# KiCad board reform2-motherboard.kicad_pcb
title: REFORM; date: 2019-04-08; rev: 2.0; company: MNT Research GmbH
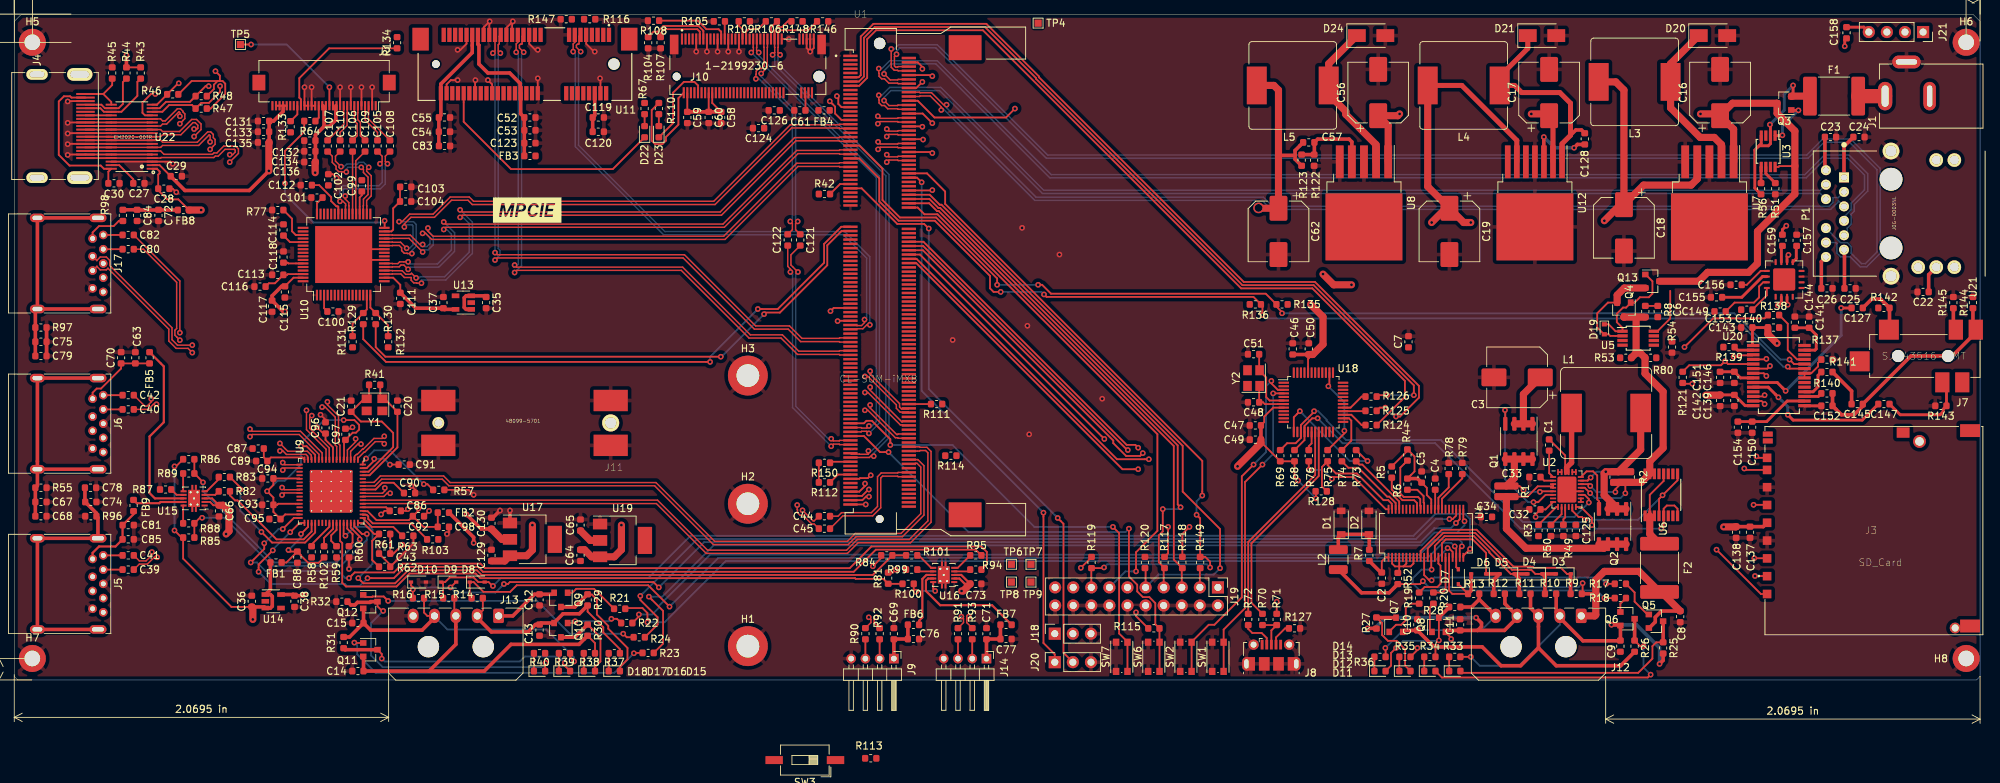
[diagram p0: board, top side]
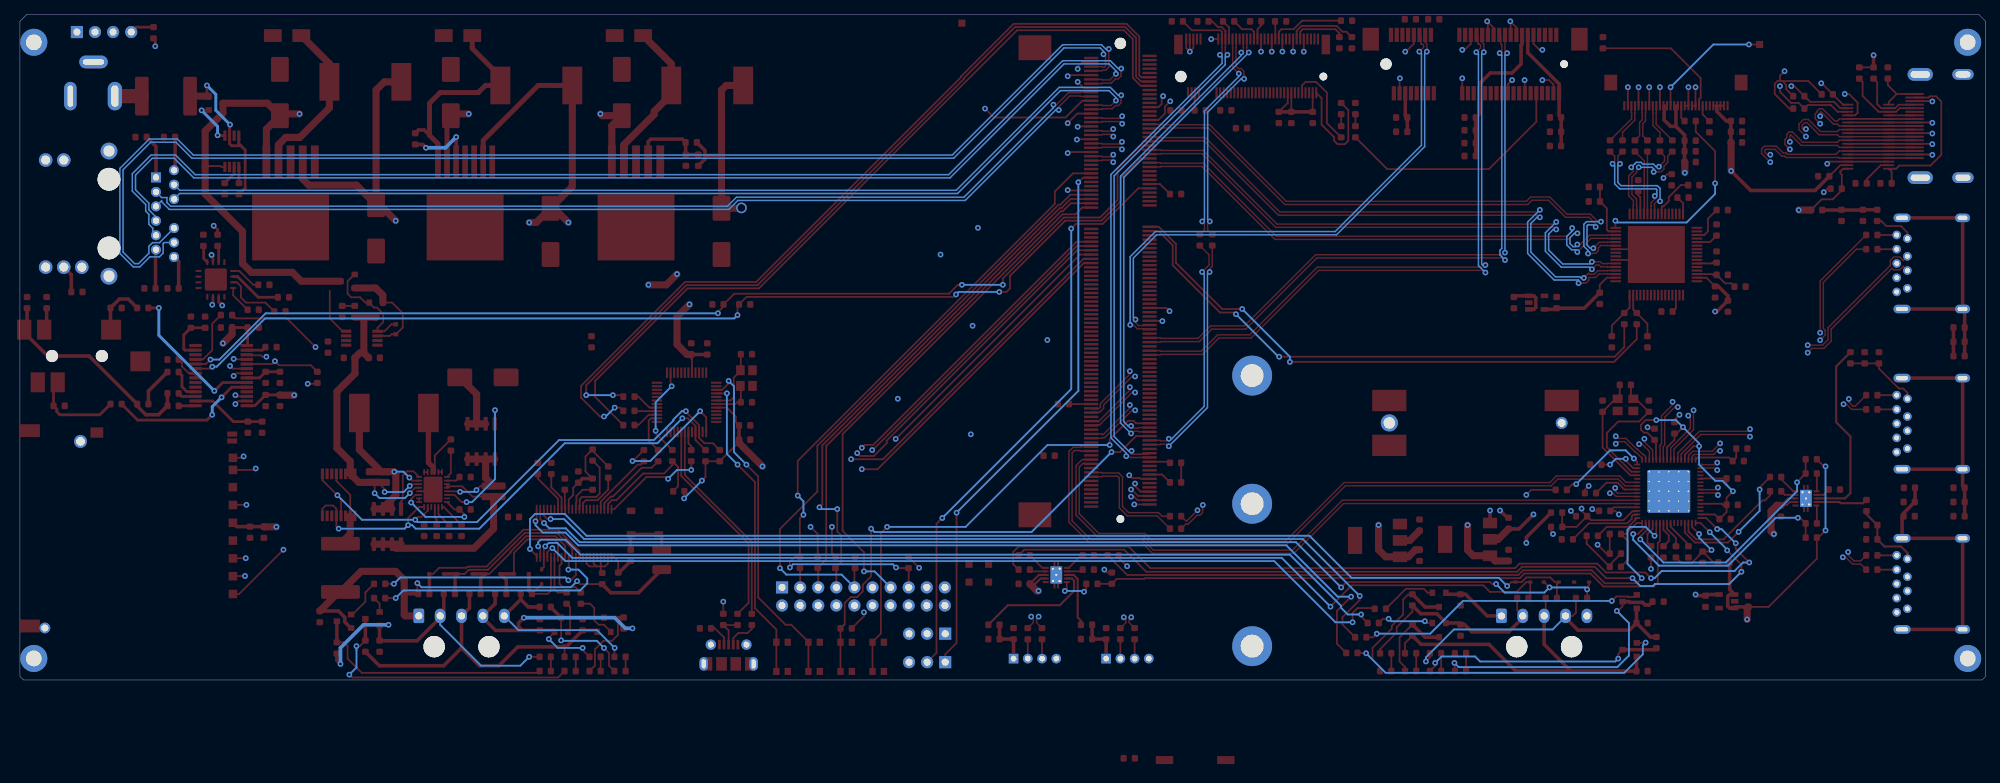
[diagram p1: board, bottom side, seen from below]

Outline 276 x 93.5 mm; copper layers: Top, GND.Cu (plane), Signal.Cu, Power.Cu (plane), GND2.Cu (plane), Bottom. Coordinates in mm from the lower left corner of the outline.
Outline path: 0,0.5 0,92.5 1,93.5 275,93.5 276,92.5 276,0.5 275.5,0 0.5,0 0,0.5

## Placement (name value [footprint] x y rotation side)
C1  22nF  [C_0603_1608Metric]  215.5 33 90 top
C2  1uF  [C_0603_1608Metric]  192 14.3 270 top
C3  220uF  [CP_Elec_8x10]  211 42.5 180 top
C4  1uF  [C_0603_1608Metric]  199.5 27.5 90 top
C5  1uF  [C_0603_1608Metric]  197.6 28.5 90 top
C6  0.1uF  [C_0603_1608Metric]  230.75 51.75 270 top
C7  0.1uF  [C_0603_1608Metric]  195.75 47.5 90 top
C8  0.1uF  [C_0603_1608Metric]  233.9 8.9 270 top
C9  0.1uF  [C_0603_1608Metric]  225.5 4.75 270 top
C10  0.1uF  [C_0603_1608Metric]  197 7.75 90 top
C11  0.1uF  [C_0603_1608Metric]  203 7.75 90 top
C12  0.1uF  [C_0603_1608Metric]  73.75 11.25 270 top
C13  0.1uF  [C_0603_1608Metric]  73.75 7 270 top
C14  0.1uF  [C_0603_1608Metric]  48.25 1.25 180 top
C15  0.1uF  [C_0603_1608Metric]  48.25 8 180 top
C16  220uF  [CP_Elec_8x10]  239.5 82.5 90 top
C17  220uF  [CP_Elec_8x10]  215.5 82.5 90 top
C18  220uF  [CP_Elec_8x10]  226 63.5 270 top
C19  220uF  [CP_Elec_8x10]  201.5 63 270 top
C20  18pF  [C_0603_1608Metric]  53.8 38.45 90 top
C21  18pF  [C_0603_1608Metric]  47.3 38.45 90 top
C22  0.1uF  [C_0603_1608Metric]  268 54.5 180 top
C23  0.1uF  [C_0603_1608Metric]  255 76.25 0 top
C24  0.1uF  [C_0603_1608Metric]  259 76.25 0 top
C25  0.1uF  [C_0603_1608Metric]  257.75 55 0 top
C26  0.1uF  [C_0603_1608Metric]  254.5 55 0 top
C27  0.1uF  [C_0603_1608Metric]  17.5 69.75 180 top
C28  0.1uF  [C_0603_1608Metric]  21 69 180 top
C29  0.1uF  [C_0603_1608Metric]  22.75 70.75 0 top
C30  0.1uF  [C_0603_1608Metric]  14 69.75 0 top
C32  1uF  [C_0603_1608Metric]  213.5 23.95 180 top
C33  4.7uF  [C_0603_1608Metric]  213.5 28.5 180 top
C34  10uF  [C_0603_1608Metric]  206.7 22.9 180 top
C35  1uF  [C_0603_1608Metric]  66.25 53 270 top
C36  1uF  [C_0603_1608Metric]  33.35 11.05 90 top
C37  10uF  [C_0603_1608Metric]  60.25 53 90 top
C38  10uF  [C_0603_1608Metric]  39.35 11.05 270 top
C39  0.1uF  [C_0603_1608Metric]  16 15.5 180 top
C40  0.1uF  [C_0603_1608Metric]  16 38 180 top
C41  0.1uF  [C_0603_1608Metric]  16 17.5 180 top
C42  0.1uF  [C_0603_1608Metric]  16 40 180 top
C43  10uF  [C_0603_1608Metric]  52 17.75 180 top
C44  0.1uF  [C_0603_1608Metric]  113.75 23 0 top
C45  0.1uF  [C_0603_1608Metric]  113.75 21.25 0 top
C46  10uF  [C_0603_1608Metric]  179.5 46.5 90 top
C47  10uF  [C_0603_1608Metric]  174.25 35.75 180 top
C48  18pF  [C_0603_1608Metric]  174 39 180 top
C49  0.1uF  [C_0603_1608Metric]  174.25 33.75 180 top
C50  0.1uF  [C_0603_1608Metric]  181.75 46.5 90 top
C51  18pF  [C_0603_1608Metric]  174 45.75 180 top
C52  0.1uF  [C_0603_1608Metric]  72.4 79 0 top
C53  0.1uF  [C_0603_1608Metric]  72.4 77.2 0 top
C54  0.1uF  [C_0603_1608Metric]  60.4 77 0 top
C55  0.1uF  [C_0603_1608Metric]  60.4 79 0 top
C56  220uF  [CP_Elec_8x10]  191.5 82.5 90 top
C57  10nF  [C_0603_1608Metric]  181.75 75.5 0 top
C58  0.1uF  [C_0603_1608Metric]  99.25 79 270 top
C59  0.1uF  [C_0603_1608Metric]  94.5 79 270 top
C60  0.1uF  [C_0603_1608Metric]  97.5 79 270 top
C61  0.1uF  [C_0603_1608Metric]  110.3 80 180 top
C62  220uF  [CP_Elec_8x10]  177.5 63 270 top
C63  10uF  [C_0603_1608Metric]  17 45.25 90 top
C64  1uF  [C_0603_1608Metric]  79.5 17.5 270 top
C65  1uF  [C_0603_1608Metric]  79.5 21.75 90 top
C66  0.1uF  [C_0603_1608Metric]  28.75 23.75 270 top
C67  0.1uF  [C_0603_1608Metric]  3.75 25 0 top
C68  1nF  [C_0603_1608Metric]  3.75 23 0 top
C69  10uF  [C_0603_1608Metric]  123.5 6.5 90 top
C70  0.1uF  [C_0603_1608Metric]  15 45.25 90 top
C71  10uF  [C_0603_1608Metric]  136.5 6.5 90 top
C72  10uF  [C_0603_1608Metric]  20.25 65.25 270 top
C73  0.1uF  [C_0603_1608Metric]  135 13.5 0 top
C74  0.1uF  [C_0603_1608Metric]  10.75 25 0 top
C75  0.1uF  [C_0603_1608Metric]  3.75 47.5 0 top
C76  0.1uF  [C_0603_1608Metric]  126.25 5.75 0 top
C77  0.1uF  [C_0603_1608Metric]  139.25 5.75 0 top
C78  1nF  [C_0603_1608Metric]  10.71 27 0 top
C79  1nF  [C_0603_1608Metric]  3.75 45.5 0 top
C80  0.1uF  [C_0603_1608Metric]  16 60.5 180 top
C81  10uF  [C_0603_1608Metric]  16 21.75 0 top
C82  0.1uF  [C_0603_1608Metric]  16 62.5 180 top
C83  47uF  [C_0603_1608Metric]  60.41 75 0 top
C84  0.1uF  [C_0603_1608Metric]  17.25 65.25 270 top
C85  0.1uF  [C_0603_1608Metric]  16 19.75 0 top
C86  0.1uF  [C_0603_1608Metric]  53.5 23.75 0 top
C87  0.1uF  [C_0603_1608Metric]  34.25 32.5 180 top
C88  0.1uF  [C_0603_1608Metric]  39.75 17.25 270 top
C89  0.1uF  [C_0603_1608Metric]  34.75 30.75 180 top
C90  0.1uF  [C_0603_1608Metric]  55.5 26.25 0 top
C91  10uF  [C_0603_1608Metric]  54.75 30.25 0 top
C92  0.1uF  [C_0603_1608Metric]  56.75 23 0 top
C93  0.1uF  [C_0603_1608Metric]  35.6 24.6 180 top
C94  0.1uF  [C_0603_1608Metric]  35.6 28.3 180 top
C95  0.1uF  [C_0603_1608Metric]  36.6 22.6 180 top
C96  0.1uF  [C_0603_1608Metric]  43.7 35.4 90 top
C97  0.1uF  [C_0603_1608Metric]  46.5 34.5 90 top
C98  10uF  [C_0603_1608Metric]  60.25 21.5 0 top
C99  10uF  [C_0603_1608Metric]  48.8 69.4 90 top
C100  1uF  [C_0603_1608Metric]  44.75 51.75 0 top
C101  0.1uF  [C_0603_1608Metric]  42.5 67.75 180 top
C102  10nF  [C_0603_1608Metric]  44.1 70.25 90 top
C103  0.1uF  [C_0603_1608Metric]  54.96 69.25 0 top
C104  10nF  [C_0603_1608Metric]  54.95 67.2 0 top
C105  0.1uF  [C_0603_1608Metric]  51 75 270 top
C106  0.1uF  [C_0603_1608Metric]  47.5 75 270 top
C107  0.1uF  [C_0603_1608Metric]  44 75 270 top
C108  0.1uF  [C_0603_1608Metric]  52.75 75 270 top
C109  0.1uF  [C_0603_1608Metric]  49.25 75 270 top
C110  0.1uF  [C_0603_1608Metric]  45.75 75 270 top
C111  1uF  [C_0603_1608Metric]  54.2 53.6 270 top
C112  10uF  [C_0603_1608Metric]  41 69.5 180 top
C113  0.1uF  [C_0603_1608Metric]  37 56.9 180 top
C114  1uF  [C_0603_1608Metric]  37.8 63.2 90 top
C115  0.1uF  [C_0603_1608Metric]  38 54.5 270 top
C116  10nF  [C_0603_1608Metric]  34.5 55.25 180 top
C117  10nF  [C_0603_1608Metric]  36.2 52.5 270 top
C118  0.1uF  [C_0603_1608Metric]  37.8 59.4 90 top
C119  0.1uF  [C_0603_1608Metric]  82 79 0 top
C120  10uF  [C_0603_1608Metric]  82 77 0 top
C121  0.1uF  [C_0603_1608Metric]  110.35 61.8 270 top
C122  0.1uF  [C_0603_1608Metric]  108.6 61.8 270 top
C123  47uF  [C_0603_1608Metric]  72.4 75.4 0 top
C124  47uF  [C_0603_1608Metric]  104.5 77.5 180 top
C125  10uF  [C_0603_1608Metric]  219.25 21 270 top
C126  47uF  [C_0603_1608Metric]  106.7 80 180 top
C127  47uF  [C_0603_1608Metric]  258.75 52.25 180 top
C128  10nF  [C_0603_1608Metric]  220.5 76 270 top
C129  1uF  [C_0603_1608Metric]  67 17.5 90 top
C130  1uF  [C_0603_1608Metric]  67 22 90 top
C131  10uF  [C_0603_1608Metric]  35 78.5 180 top
C132  10uF  [C_0603_1608Metric]  41.5 75.75 180 top
C133  10uF  [C_0603_1608Metric]  35 77 180 top
C134  10uF  [C_0603_1608Metric]  41.5 74.25 180 top
C135  0.1uF  [C_0603_1608Metric]  35 75.5 180 top
C136  0.1uF  [C_0603_1608Metric]  41.5 72.75 180 top
C137  22uF  [C_0603_1608Metric]  243.7 20.75 270 top
C138  0.1uF  [C_0603_1608Metric]  241.75 20.75 270 top
C139  10uF  [C_0603_1608Metric]  241.5 39.25 270 top
C140  10uF  [C_0603_1608Metric]  247 49.5 0 top
C141  10uF  [C_0603_1608Metric]  252 50.25 270 top
C142  0.1uF  [C_0603_1608Metric]  239.5 39.25 270 top
C143  0.1uF  [C_0603_1608Metric]  243.25 49.5 180 top
C144  0.1uF  [C_0603_1608Metric]  250 50.25 270 top
C145  1uF  [C_0603_1608Metric]  258.75 38.75 180 top
C146  0.1uF  [C_0603_1608Metric]  241.5 42.5 270 top
C147  47uF  [C_0603_1608Metric]  262.5 38.75 180 top
C149  10nF  [C_0603_1608Metric]  239.5 51.75 180 top
C150  10uF  [C_0603_1608Metric]  244 35.5 270 top
C151  10uF  [C_0603_1608Metric]  239.5 42.5 270 top
C152  10uF  [C_0603_1608Metric]  254.5 38.5 180 top
C153  10nF  [C_0603_1608Metric]  243.25 52 180 top
C154  0.1uF  [C_0603_1608Metric]  242 35.5 270 top
C155  1uF  [C_0603_1608Metric]  239 53.75 180 top
C156  1uF  [C_0603_1608Metric]  241.75 55.5 180 top
C157  0.1uF  [C_0603_1608Metric]  250.25 61.75 90 top
C158  22uF  [C_0603_1608Metric]  257.25 90.9 270 top
C159  22uF  [C_0603_1608Metric]  248.25 61.75 270 top
D1  MMSZ5267B  [D_SOD-123]  186.3 22.1 90 top
D2  BAT46W  [D_SOD-123]  190.2 22.1 90 top
D3  PDZ7.5B  [D_SOD-323]  217.5 14.9 180 top
D4  PDZ7.5B  [D_SOD-323]  213.5 14.9 180 top
D5  PDZ7.5B  [D_SOD-323]  209.6 14.9 180 top
D6  PDZ7.5B  [D_SOD-323]  205.6 14.9 180 top
D7  PDZ7.5B  [D_SOD-323]  202.75 14.5 90 top
D8  PDZ7.5B  [D_SOD-323]  65 13.75 0 top
D9  PDZ7.5B  [D_SOD-323]  61 13.75 0 top
D10  PDZ7.5B  [D_SOD-323]  56.75 13.75 0 top
D11  LEDC8  [LED_0603_1608Metric]  202.25 1.25 0 top
D12  LEDC7  [LED_0603_1608Metric]  198.75 1.25 0 top
D13  LEDC6  [LED_0603_1608Metric]  195.25 1.25 0 top
D14  LEDC5  [LED_0603_1608Metric]  191.75 1.25 0 top
D15  LEDC4  [LED_0603_1608Metric]  84.25 1.25 0 top
D16  LEDC3  [LED_0603_1608Metric]  80.75 1.25 0 top
D17  LEDC2  [LED_0603_1608Metric]  77.25 1.25 0 top
D18  LEDC2  [LED_0603_1608Metric]  73.75 1.25 0 top
D19  DDZ9699T  [D_SOD-523]  223.25 49.25 270 top
D20  SK54A-LTP  [D_SMA]  238.5 90.5 0 top
D21  SK54A-LTP  [D_SMA]  214.5 90.5 0 top
D22  LED_WLAN1  [LED_0603_1608Metric]  88.5 77 90 top
D23  LED_NVME  [LED_0603_1608Metric]  90.5 77 90 top
D24  SK54A-LTP  [D_SMA]  190.5 90.5 0 top
F1  0ZCF0100AF2A  [Fuse_2920_7451Metric]  255.5 82 0 top
F2  0ZCF0100AF2A  [Fuse_2920_7451Metric]  231 15.75 90 top
FB1  220@100MHz 1.4A  [L_0603_1608Metric]  36.75 16.5 0 top
FB2  220@100MHz 1.4A  [L_0603_1608Metric]  60.25 23.5 180 top
FB3  220@100MHz 1.4A  [L_0603_1608Metric]  72.4 73.6 180 top
FB4  220@100MHz 1.4A  [L_0603_1608Metric]  113.7 80 180 top
FB5  220@100MHz 1.4A  [L_0603_1608Metric]  19 45.25 270 top
FB6  220@100MHz 1.4A  [L_0603_1608Metric]  126.25 7.75 180 top
FB7  220@100MHz 1.4A  [L_0603_1608Metric]  139.25 7.75 180 top
FB8  220@100MHz 1.4A  [L_0603_1608Metric]  23.75 66 180 top
FB9  220@100MHz 1.4A  [L_0603_1608Metric]  16.75 24.5 270 top
H1  NGFF-Mount1  [MountingHole_3.2mm_M3_DIN965_Pad]  103 4.75 0 top
H2  NGFF-Mount2  [MountingHole_3.2mm_M3_DIN965_Pad]  103 24.75 0 top
H3  NGFF-Mount3  [MountingHole_3.2mm_M3_DIN965_Pad]  103 42.75 0 top
H5  MountingHole_Pad  [MountingHole_2.2mm_M2_DIN965_Pad]  2.54 89.56 0 top
H6  MountingHole_Pad  [MountingHole_2.2mm_M2_DIN965_Pad]  274.05 89.56 0 top
H7  MountingHole_Pad  [MountingHole_2.2mm_M2_DIN965_Pad]  2.54 3.02 0 top
H8  MountingHole_Pad  [MountingHole_2.2mm_M2_DIN965_Pad]  274.05 3.02 0 top
H10  LOGO_REFORM  [mntreform]  285 67.75 90 top
H11  LABEL_MPCIE1  [label-mpcie]  72 66 0 top
H12  LABEL_MPCIE2  [label-mpcie]  100 98.75 0 top
J1  Jack-DC  [SWC_RAPC712X]  265.67 82 90 top
J2  EDP_30  [Hirose_FH12-30S-0.5SH_1x30-1MP_P0.50mm_Horizontal]  43.5 82.5 180 top
J3  SD_Card  [TE_1775059-1]  267.5 33.5 0 top
J4  HDMI_A  [HDMI-685119134923]  10 77.8 270 top
J5  USB3_A  [USB3_A_Molex_48393-001]  11 17 270 top
J6  USB3_A  [USB3_A_Molex_48393-001]  11 39.5 270 top
J7  -  [SJ-43516-SMT]  268 45.5 180 top
J8  USB_B_Micro  [USB_Micro-B_Molex-105017-0001]  176.5 3.5 0 top
J9  USB_INT1  [PinHeader_1x04_P2.00mm_Horizontal]  123.5 3 270 top
J10  1-2199230-6  [TE_1-2199230-6]  103 84.75 0 top
J11  48099-5701  [MOLEX_48099-5701]  71.64 36.1 180 top
J12  BATCON1  [Molex_Micro-Fit_3.0_43650-0500_1x05_P3.00mm_Horizontal]  220 9 180 top
J13  BATCON2  [Molex_Micro-Fit_3.0_43650-0500_1x05_P3.00mm_Horizontal]  68 9 180 top
J14  USB_INT2  [PinHeader_1x04_P2.00mm_Horizontal]  136.5 3 270 top
J17  USB3_A  [USB3_A_Molex_48393-001]  11 62 270 top
J18  Conn_01x03_Male  [PinSocket_1x03_P2.54mm_Vertical]  146.09 6.5 90 top
J19  JTAG  [PinHeader_2x10_P2.54mm_Vertical]  169 13 270 top
J20  Conn_01x03_Male  [PinSocket_1x03_P2.54mm_Vertical]  146.09 2.5 90 top
J21  Conn_01x04_Male  [PinSocket_1x04_P2.54mm_Vertical]  268 91 270 top
L1  12uH  [L_Bourns_SRR1260]  223.5 37.5 0 top
L2  IMC1210ER100K  [L_1210_3225Metric]  185.9 16.9 90 top
L3  68uH  [L_Bourns_SRR1210A]  227.5 84 180 top
L4  68uH  [L_Bourns_SRR1210A]  203.5 83.5 180 top
L5  68uH  [L_Bourns_SRR1210A]  179.5 83.5 180 top
P1  J0G-0003NL  [PULSE_J0G-0003NL]  263.5 65.5 270 top
Q1  Si4850BDY  [SOIC-8_3.9x4.9mm_P1.27mm]  211.25 33.5 270 top
Q2  Si4850BDY  [SOIC-8_3.9x4.9mm_P1.27mm]  224.4 21.55 270 top
Q3  PMV55ENEA  [SOT-23]  248.5 81 180 top
Q4  PMV55ENEA  [SOT-23]  226 52 270 top
Q5  PMV50EPEAR  [SOT-23]  230.5 8.25 0 top
Q6  PMV50EPEAR  [SOT-23]  226.5 8.6 0 top
Q7  PMV50EPEAR  [SOT-23]  194 7.75 90 top
Q8  PMV50EPEAR  [SOT-23]  200 7.75 90 top
Q9  PMV50EPEAR  [SOT-23]  76.75 11.25 270 top
Q10  PMV50EPEAR  [SOT-23]  76.75 7 270 top
Q11  PMV50EPEAR  [SOT-23]  50 4.25 0 top
Q12  PMV50EPEAR  [SOT-23]  50 11 0 top
Q13  PMV55ENEA  [SOT-23]  230 56 0 top
R1  16m  [R_0612_1632Metric]  209.5 26.5 270 top
R2  10m  [R_0612_1632Metric]  225.75 28.5 90 top
R3  10k 1%  [R_0603_1608Metric]  214 21 90 top
R4  1M  [R_0603_1608Metric]  195.6 31.6 270 top
R5  1M  [R_0603_1608Metric]  193.4 29.2 270 top
R6  1M  [R_0603_1608Metric]  195.6 27.5 270 top
R7  100  [R_0603_1608Metric]  190.25 17.5 270 top
R8  100  [R_0603_1608Metric]  229 51.75 90 top
R9  100  [R_0603_1608Metric]  219.3 12.1 180 top
R10  100  [R_0603_1608Metric]  215.7 12.1 180 top
R11  100  [R_0603_1608Metric]  212.1 12.1 180 top
R12  100  [R_0603_1608Metric]  208.5 12.1 180 top
R13  100  [R_0603_1608Metric]  204.9 12.1 180 top
R14  100  [R_0603_1608Metric]  65 11.5 180 top
R15  100  [R_0603_1608Metric]  61 11.5 180 top
R16  100  [R_0603_1608Metric]  56.75 11.5 180 top
R17  3.3k  [R_0603_1608Metric]  225.5 13.5 180 top
R18  3.3k  [R_0603_1608Metric]  225.5 11.5 180 top
R19  3.3k  [R_0603_1608Metric]  197.25 11.5 90 top
R20  3.3k  [R_0603_1608Metric]  199.25 11.5 90 top
R21  3.3k  [R_0603_1608Metric]  85 10 0 top
R22  3.3k  [R_0603_1608Metric]  86 8 0 top
R23  3.3k  [R_0603_1608Metric]  89 3.8 0 top
R24  3.3k  [R_0603_1608Metric]  87.75 6 0 top
R25  33  [R_0603_1608Metric]  231.5 4.5 90 top
R26  33  [R_0603_1608Metric]  227.5 4.75 90 top
R27  33  [R_0603_1608Metric]  191.25 8 90 top
R28  33  [R_0603_1608Metric]  202.25 10.25 180 top
R29  33  [R_0603_1608Metric]  80.5 11.25 90 top
R30  33  [R_0603_1608Metric]  80.5 7 90 top
R31  33  [R_0603_1608Metric]  46.25 5.25 270 top
R32  33  [R_0603_1608Metric]  46 11 0 top
R33  475  [R_0603_1608Metric]  202.25 3.25 180 top
R34  475  [R_0603_1608Metric]  198.75 3.25 180 top
R35  475  [R_0603_1608Metric]  195.25 3.25 180 top
R36  475  [R_0603_1608Metric]  191.75 3.25 180 top
R37  475  [R_0603_1608Metric]  84.25 3.75 180 top
R38  475  [R_0603_1608Metric]  80.75 3.75 180 top
R39  475  [R_0603_1608Metric]  77.25 3.75 180 top
R40  475  [R_0603_1608Metric]  73.75 3.75 180 top
R41  1M  [R_0603_1608Metric]  50.6 41.45 180 top
R42  1.5k  [R_0603_1608Metric]  113.75 68.25 0 top
R43  4.7k  [R_0603_1608Metric]  17.75 85.25 270 top
R44  4.7k  [R_0603_1608Metric]  15.75 85.25 270 top
R45  10k  [R_0603_1608Metric]  13.75 85.25 90 top
R46  47k  [R_0603_1608Metric]  22.25 82.25 0 top
R47  47k  [R_0603_1608Metric]  26.25 80.25 0 top
R48  47k  [R_0603_1608Metric]  26.25 82 0 top
R49  63.4k  [R_0603_1608Metric]  217.5 21 270 top
R50  10k  [R_0603_1608Metric]  215.75 21 270 top
R51  1.5k  [R_0603_1608Metric]  247.25 69 90 top
R52  100  [R_0603_1608Metric]  194.25 14.25 270 top
R53  100k  [R_0603_1608Metric]  226.25 45.25 0 top
R54  1.5k  [R_0603_1608Metric]  232.75 46.75 90 top
R55  1M  [R_0603_1608Metric]  3.75 27 0 top
R56  0  [R_0603_1608Metric]  245.25 69 270 top
R57  9.53k  [R_0603_1608Metric]  59.6 26.7 0 top
R58  4.7k  [R_0603_1608Metric]  41.75 18 270 top
R59  4.7k  [R_0603_1608Metric]  45.25 18 270 top
R60  4.7k  [R_0603_1608Metric]  47 18 270 top
R61  90.9k 1%  [R_0603_1608Metric]  52 20.5 0 top
R62  10k 1%  [R_0603_1608Metric]  52 15.9 0 top
R63  4.7k  [R_0603_1608Metric]  55.25 20.25 0 top
R64  51k  [R_0603_1608Metric]  41.5 78.5 180 top
R67  475  [R_0603_1608Metric]  88.5 80.25 270 top
R68  4.7k  [R_0603_1608Metric]  179.75 31.5 90 top
R69  4.7k  [R_0603_1608Metric]  177.75 31.5 90 top
R70  33  [R_0603_1608Metric]  175.25 8.5 90 top
R71  1.5k  [R_0603_1608Metric]  177.25 8.5 270 top
R72  33  [R_0603_1608Metric]  173.25 8.5 90 top
R73  0  [R_0603_1608Metric]  188.4 31.5 90 top
R74  0  [R_0603_1608Metric]  186.4 31.5 90 top
R75  0  [R_0603_1608Metric]  184.4 31.5 90 top
R76  0  [R_0603_1608Metric]  181.75 31.5 90 top
R77  0  [R_0603_1608Metric]  37 66 0 top
R78  0  [R_0603_1608Metric]  201.4 29.7 90 top
R79  0  [R_0603_1608Metric]  203.3 29.7 90 top
R80  0  [R_0603_1608Metric]  229.75 45.25 180 top
R81  10k  [R_0603_1608Metric]  122.7 14.3 90 top
R82  0  [R_0603_1608Metric]  29.5 26.5 0 top
R83  0  [R_0603_1608Metric]  29.5 28.5 180 top
R84  10k  [R_0603_1608Metric]  122.5 17.5 180 top
R85  10k  [R_0603_1608Metric]  24.5 20 180 top
R86  10k  [R_0603_1608Metric]  24.5 31 180 top
R87  24.9k  [R_0603_1608Metric]  21.25 26.75 180 top
R88  0  [R_0603_1608Metric]  24.5 22 0 top
R89  0  [R_0603_1608Metric]  24.5 29 0 top
R90  27  [R_0603_1608Metric]  119.5 6.5 270 top
R91  27  [R_0603_1608Metric]  132.5 6.5 270 top
R92  27  [R_0603_1608Metric]  121.5 6.5 270 top
R93  27  [R_0603_1608Metric]  134.5 6.5 270 top
R94  0  [R_0603_1608Metric]  135 15.5 0 top
R95  0  [R_0603_1608Metric]  135 17.5 180 top
R96  1M  [R_0603_1608Metric]  10.75 23 180 top
R97  1M  [R_0603_1608Metric]  3.75 49.5 0 top
R98  0  [R_0603_1608Metric]  15.25 65.25 270 top
R99  24.9k  [R_0603_1608Metric]  126 15.5 180 top
R100  0  [R_0603_1608Metric]  125.5 13.5 180 top
R101  0  [R_0603_1608Metric]  126 17.5 180 top
R102  1.5k  [R_0603_1608Metric]  43.5 18 90 top
R103  0  [R_0603_1608Metric]  58.75 19.75 0 top
R104  0  [R_0603_1608Metric]  89 89.5 270 top
R105  0  [R_0603_1608Metric]  99 92.5 180 top
R106  0  [R_0603_1608Metric]  106.3 92.5 0 top
R107  0  [R_0603_1608Metric]  90.75 89.5 270 top
R108  0  [R_0603_1608Metric]  89.75 92.6 180 top
R109  0  [R_0603_1608Metric]  102.5 92.5 0 top
R110  475  [R_0603_1608Metric]  90.5 80.25 270 top
R111  0  [R_0603_1608Metric]  129.5 38.75 180 top
R112  10k  [R_0603_1608Metric]  113.75 27.75 180 top
R113  10k  [R_0603_1608Metric]  120.25 -11 180 top
R114  0  [R_0603_1608Metric]  131.5 31.5 180 top
R115  10k  [R_0603_1608Metric]  160 7.25 0 top
R116  49.9  [R_0603_1608Metric]  80.79 92.8 0 top
R117  10k  [R_0603_1608Metric]  161.5 16.5 270 top
R118  10k  [R_0603_1608Metric]  164 16.5 270 top
R119  10k  [R_0603_1608Metric]  151.25 16.5 270 top
R120  10k  [R_0603_1608Metric]  158.75 16.5 90 top
R121  0  [R_0603_1608Metric]  234.25 42.5 270 top
R122  1k 1%  [R_0603_1608Metric]  182.5 73 270 top
R123  2.4k 1%  [R_0603_1608Metric]  180.75 73 90 top
R124  0  [R_0603_1608Metric]  190.5 35.8 0 top
R125  0  [R_0603_1608Metric]  190.5 37.8 0 top
R126  0  [R_0603_1608Metric]  190.5 39.8 0 top
R127  0  [R_0603_1608Metric]  179.75 7.25 180 top
R128  0  [R_0603_1608Metric]  183.5 26.5 180 top
R129  0  [R_0603_1608Metric]  49 50.75 270 top
R130  0  [R_0603_1608Metric]  50.75 50.75 270 top
R131  4.7k  [R_0603_1608Metric]  47.5 47.5 270 top
R132  4.7k  [R_0603_1608Metric]  52.5 47.5 270 top
R133  0  [R_0603_1608Metric]  38.8 77.7 270 top
R134  0  [R_0603_1608Metric]  53.75 89.5 90 top
R135  4.7k  [R_0603_1608Metric]  178 52.75 180 top
R136  4.7k  [R_0603_1608Metric]  174.25 52.75 0 top
R137  10k  [R_0603_1608Metric]  254.5 45 180 top
R138  0  [R_0603_1608Metric]  247 51.25 180 top
R139  100  [R_0603_1608Metric]  240.75 46.75 180 top
R140  680  [R_0603_1608Metric]  254.5 40.25 0 top
R141  2k  [R_0603_1608Metric]  254.5 43.25 0 top
R142  47k  [R_0603_1608Metric]  262.5 52.25 180 top
R143  47k  [R_0603_1608Metric]  270.5 38.5 180 top
R144  47k  [R_0603_1608Metric]  275 53 90 top
R145  0  [R_0603_1608Metric]  272.25 53 90 top
R146  49.9  [R_0603_1608Metric]  113.5 92.5 0 top
R147  49.9  [R_0603_1608Metric]  77.5 92.8 180 top
R148  49.9  [R_0603_1608Metric]  109.9 92.5 0 top
R149  0  [R_0603_1608Metric]  166.5 16.5 90 top
R150  0  [R_0603_1608Metric]  113.75 30.5 180 top
SW1  SW_Push  [SW_Push_1P1T_NO_CK_KMR2]  169 3.25 90 top
SW2  SW_Push  [SW_Push_1P1T_NO_CK_KMR2]  164.5 3.25 90 top
SW3  SW_DIP_x01  [SW_DIP_SPSTx01_Slide_6.7x4.1mm_W8.61mm_P2.54mm_LowProfile]  111 -11.25 180 top
SW6  SW_Push  [SW_Push_1P1T_NO_CK_KMR2]  160 3.25 90 top
SW7  SW_Push  [SW_Push_1P1T_NO_CK_KMR2]  155.5 3.25 90 top
TP4  T_JTAG_MOD  [TestPoint_Pad_1.0x1.0mm]  143.75 92.25 0 top
TP5  T_EDP  [TestPoint_Pad_1.0x1.0mm]  31.75 89.25 0 top
TP6  T_USB1_ID  [TestPoint_Pad_1.0x1.0mm]  140 16.25 0 top
TP7  T_PWM3  [TestPoint_Pad_1.0x1.0mm]  142.75 16.25 0 top
TP8  T_PMIC_ON_REQ  [TestPoint_Pad_1.0x1.0mm]  140 13.75 0 top
TP9  T_SD2_RESET  [TestPoint_Pad_1.0x1.0mm]  142.75 13.75 0 top
U1  CL-SOM-iMX8  [TE_2-2013289-1]  121.5 56 0 top
U2  LTC4162-F  [QFN-28-1EP_4x5mm_P0.5mm_EP2.65x3.65mm]  218 26.75 0 top
U3  LTC4359-MS8  [MSOP-8_3x3mm_P0.65mm]  246.25 74.25 270 top
U4  LTC6803-4  [SSOP-44_5.3x12.8mm_P0.5mm]  198.2 20.6 90 top
U5  LTC4359-MS8  [MSOP-8_3x3mm_P0.65mm]  228 48 0 top
U6  INA260  [TSSOP-16_4.4x5mm_P0.65mm]  231.25 26 90 top
U7  LM2596T-5  [TO-263-5_TabPin6]  238 67 270 top
U8  LM2596T-ADJ  [TO-263-5_TabPin6]  189.5 67 270 top
U9  TUSB8041  [QFN-64-1EP_9x9mm_P0.5mm_EP6x6mm_ThermalVias]  44.5 26.5 270 top
U10  SN65DSI86ZQER  [HTQFP-64-1EP_10x10mm_P0.5mm_EP8x8mm]  46.25 59.75 90 top
U11  679105700  [MOLEX_67910-5700]  73.5 86.5 180 top
U12  LM2677-3.3  [TO-263-7_TabPin8]  213.5 67 270 top
U13  TLV71312PDBV  [SOT-23-5]  63.06 53 180 top
U14  TLV71311PDBV  [SOT-23-5]  36.35 11.05 0 top
U15  TPS2561  [VSON-10-1EP_3x3mm_P0.5mm_EP1.65x2.4mm_ThermalVias]  25.25 25.5 180 top
U16  TPS2561  [VSON-10-1EP_3x3mm_P0.5mm_EP1.65x2.4mm_ThermalVias]  130.5 14.75 180 top
U17  TLV1117-18  [SOT-223]  72.75 19.75 0 top
U18  LPC11U24FBD48-301  [LQFP-48_7x7mm_P0.5mm]  182.4 39 0 top
U19  TLV1117-15  [SOT-223]  85.4 19.6 0 top
U20  WM8731  [SSOP-28_5.3x10.2mm_P0.65mm]  247.75 42.75 0 top
U21  MAX9715ETE+  [TQFN-16-1EP_5x5mm_P0.8mm_EP3.1x3.1mm]  248.5 56.25 90 top
U22  CM2020-00TR  [TSSOP50P640X120-38N]  16.5 76.3 180 top
Y1  24MHz  [Crystal_SMD_Abracon_ABM8G-4Pin_3.2x2.5mm]  50.58 38.64 180 top
Y2  12MHz  [Crystal_SMD_Abracon_ABM8G-4Pin_3.2x2.5mm]  174 42.4 90 top
